# Altium PCB HealthSensors.PcbDoc (continued)
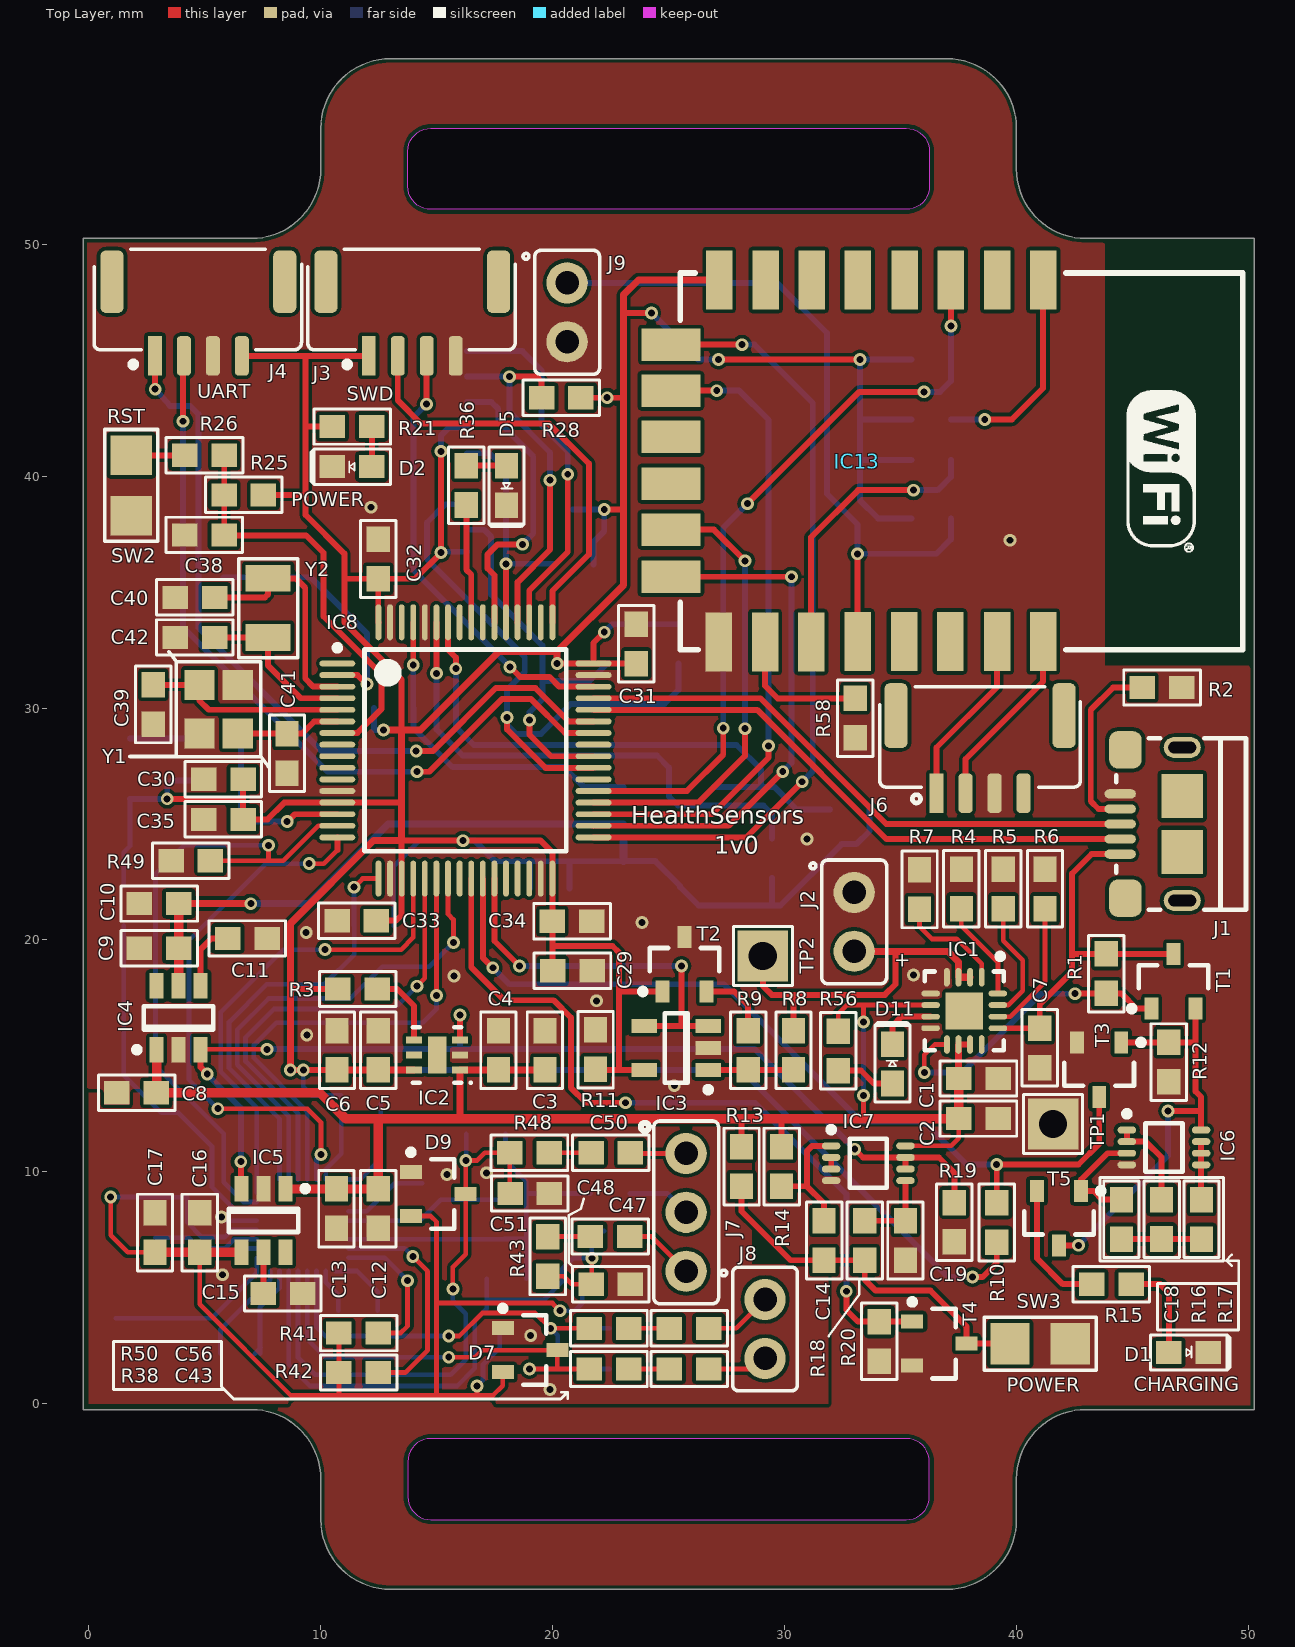
[diagram p0: Top Layer view]
## Nets (pads, with @x,y where several pads share a name; then routed paths per layer and width w, separated by ;. In a path a pad name is that pad's centre, name@x,y a point inside that pad or via, vN(x,y) a via of type N, cw(c..) or ccw(c..) an arc to the next point about the centre after c; other vN are vias at no path point)
AGND: C12.1 C13.1 C15.1 C16.1 C17.1 C20.1 C21.1 C46.1 C48.1 C51.1 C52.1 C53.1 C54.1 C55.1 C57.1 D7.1 D8.1 D9.1 D10.1 IC5.2 IC10.10 IC10.13 | length 2.7
  Bottom Layer w0.203: v1(5.715,8.052) 5.871,7.896 IC10.13 ; 6.299,6.426 6.569,6.696 IC10.10
  other v1: 19.888,0.61 19.05,2.946 5.766,5.563 15.443,9.881 17.145,9.957
AVCC: C16.2 C17.2 C20.2 C21.2 D7.2 D8.2 D9.2 D10.2 IC5.4 IC10.12 R41.2 R42.2 | length 55
  Top Layer w0.203: v1(0.94,8.915) 0.94,7.264 1.673,6.532 C17.2 ; C16.2 4.783,6.528 4.783,4.285 8.712,0.356 10.783,0.356 ; R41.2 R42.2 10.783,0.356 ; D9.2 14.742,8.092 14.99,7.844 14.99,4.343 ; v1(16.739,0.762) 16.739,0.356 ; D7.2 17.85,0.781 17.424,0.356 16.739,0.356 ; v1(20.32,4.013) 19.99,4.343 14.99,4.343 ; 10.783,0.356 14.969,0.356 ; 14.969,0.356 16.739,0.356 ; 14.969,0.356 14.99,0.377 14.99,4.343
  Top Layer w0.254: C17.2 C17.2@2.856,6.528
  Top Layer w0.406: C17.2@2.856,6.528 4.783,6.528 IC5.4
  Bottom Layer w0.203: v1(0.94,8.915) 2.537,8.915 C21.2 C20.2 4.245,7.82 4.877,7.188 5.864,7.188 6.172,7.496 IC10.12 ; v1(16.739,0.762) 16.994,1.017 16.994,1.69 17.723,2.419 D10.2@17.723,3.185 ; v1(20.32,4.013) 20.955,4.013 21.275,4.333 D8.2
BAT_CHG: IC8.26 R10.1 T3.3 | length 37.7
  Top Layer w0.254: IC8.26 16.988,19.232 v1(17.419,18.801) ; R10.1 v1(39.149,10.316) 42.676,10.316 43.569,11.209 T3.3
  Bottom Layer w0.254: v1(17.419,18.801) 18.132,18.089 27.389,18.089 33.311,12.167 36.003,12.167 37.854,10.316 v1(39.149,10.316)
BAT_LVL: IC3.3 IC3.4 IC8.27 | length 16.7
  Top Layer w0.254: IC8.27 17.488,19.955 v1(18.567,18.876) ; IC3.4@23.833,16.419 IC3.4 25.56,16.295 ; v1(25.56,18.876) 25.56,16.295 ; IC3.3 25.56,16.295
  Bottom Layer w0.254: v1(18.567,18.876) v1(25.56,18.876)
DVCC: C9.2 C10.2 C27.2 C28.2 IC4.5 IC9.11 | length 24.1
  Top Layer w0.254: 5.608,21.568 5.611,21.565
  Top Layer w0.305: C10.2@3.88,21.565 5.611,21.565 v1(6.985,21.565)
  Top Layer w0.406: IC4.5 C10.2@3.868,21.556
  Bottom Layer w0.305: v1(6.985,21.565) 9.474,21.565 12.91,25 IC9.11
GND: C1.1 C2.1 C3.1 C4.1 C5.1 C6.1 C7.1 C8.1 C9.1 C10.1 C11.1 C19.1 C22.1 C23.1 C24.1 C25.1 C27.1 C28.1 C29.1 C30.1 C31.1 C32.1 C33.1 C34.1 C35.1 C38.1 C39.1 C40.1 C41.1 C42.1 D1.2 D2.2 D5.2 IC1.4 IC1.5 IC1.8 IC2.2 IC3.2 IC4.2 IC6.4 IC7.4 IC8.12 IC8.18 IC8.31 IC8.47 IC8.60 IC8.63 IC9.4 IC9.12 IC10.24 IC13.15 J1.5 J2.1 J3.4 J4.3 J5.6 J5.S J6.3 J9.2 R2.1 R4.1 R5.1 R6.1 R7.1 R11.1 R12.1 R19.1 R20.1 R27.1 R49.1 R58.1 SW2.2 SW3.2 T2.3 T3.2 T4.2 TP1.1 Y1.2 Y1.4 | length 4.7
  Bottom Layer w0.203: IC10.24 11.7,9.671 12.588,10.559 C22.1 C23.1@12.588,12.935
  other v1: 25.248,13.716 9.398,15.9 21.895,17.374 15.748,18.44 35.56,18.491 9.373,20.32 23.851,20.752 30.963,24.359 39.726,37.236 12.167,38.659
NetC1_2: C1.2 C2.2 C3.2 C4.2 C8.2 C12.2 C13.2 IC1.6 IC1.10 IC1.11 IC2.1 IC4.1 IC5.1 IC7.8 R13.2 R14.2 R56.2 | length 68.6
  Top Layer w0.203: R56.2 32.316,16.819 32.689,17.192 IC1.6 ; 33.409,12.297 v1(33.409,13.288) ; v1(33.409,16.463) 33.409,17.174 ; IC7.8 37.181,11.121 37.511,11.451 C2.2
  Top Layer w0.254: IC5.1 IC5.1@8.493,9.261 ; 12.479,12.229 12.548,12.297 ; IC2.1 IC2.1@16.013,14.394 ; R13.2 28.147,12.276 28.169,12.297 ; 29.87,12.297 29.874,12.294 R14.2 ; C1.2@37.5,14.036 C1.2 ; IC1.10 IC1.11
  Top Layer w0.305: 16.01,12.297 IC2.1 ; IC2.1@16.013,14.394 C4.2 C4.2@17.762,14.394 ; C4.2@17.915,14.394 C3.2 ; C1.2@37.5,14.036 IC1.10
  Top Layer w0.406: C8.2 9.957,13.411 11.071,12.297 12.548,12.297 16.01,12.297 28.169,12.297 29.87,12.297 33.409,12.297 C2.2 C1.2 ; C8.2@2.918,13.647 IC4.1 ; IC5.1@8.493,9.261 C13.2 C12.2 12.479,12.229
  Bottom Layer w0.203: v1(33.409,13.288) v1(33.409,16.463)
NetC7_2: C7.2 IC1.13 J1.1 R1.2 T1.3 | length 15.6
  Top Layer w0.254: IC1.13@39.468,16.193 41.001,16.193 C7.2 41.003,17.225 42.4,18.622 42.4,19.396 ; J1.1 43.236,23.7 42.4,22.864 42.4,19.396 ; T1.3 46.764,19.396 R1.2 42.4,19.396
NetC11_2: C11.2 IC4.4 | length 2.9
  Top Layer w0.254: IC4.4 4.818,19.601 5.283,20.066 C11.2
NetC14_1: C14.1 R13.1 R18.2 SW3.1 T4.3 | length 15.9
  Top Layer w0.254: R13.1 28.147,8.302 30.259,6.19 C14.1 R18.2 33.459,5.352 33.934,4.877 36.297,4.877 37.853,3.321 T4.3 SW3.1
NetC14_2: C14.2 IC7.1 R14.1 | length 5.6
  Top Layer w0.254: R14.1 30.963,9.379 ; C14.2@31.695,7.878 C14.2 31.707,8.635 30.963,9.379 ; IC7.1 31.191,11.121 30.963,10.893 30.963,9.379
NetC15_2: C15.2 IC5.5 | length 1.8
  Top Layer w0.254: C15.2 7.526,4.766 IC5.5
NetC18_1: C18.1 R16.1 R17.1 | length 3.5
  Top Layer w0.254: C18.1 R17.1
NetC18_2: C18.2 IC6.3 T5.1 | length 4.8
  Top Layer w0.254: C18.2 43.701,8.8 43.326,9.176 T5.1 42.784,9.662 43.924,10.803 IC6.3
NetC19_2: C19.2 IC7.5 R18.1 | length 3.5
  Top Layer w0.254: R18.1 C19.2 IC7.5
NetC36_1: C36.1 IC8.14 R24.1 R27.2 | length 7.9
  Top Layer w0.254: v1(8.552,25.103) 8.872,25.422 IC8.14
  Bottom Layer w0.254: R24.1 C36.1 6.561,25.128 R27.2 v1(8.552,25.103)
NetC38_2: C38.2 IC8.7 R25.1 R26.1 | length 18.2
  Top Layer w0.254: R26.1 5.836,37.443 9.369,37.443 10.117,36.695 10.117,33.952 12.624,31.445 12.624,29.968 11.578,28.922 IC8.7
NetC39_2: C39.2 IC8.5 Y1.1 | length 8.8
  Top Layer w0.254: C39.2 2.78,31 Y1.1 4.77,30.319 5.164,29.925 IC8.5@10.713,29.925
NetC40_2: C40.2 IC8.3 Y2.2 | length 10.3
  Top Layer w0.254: C40.2 7.595,34.773 7.729,34.907 Y2.2 8.918,35.594 9.329,35.183 9.329,31.271 9.678,30.922 IC8.3
NetC41_2: C41.2 IC8.6 Y1.3 | length 4.5
  Top Layer w0.254: Y1.3 C41.2@8.542,28.9 ; C41.2 9.189,28.896 9.716,29.422 IC8.6
NetC42_2: C42.2 IC8.4 Y2.1 | length 7.1
  Top Layer w0.254: C42.2 7.728,33.045 Y2.1 7.729,31.83 9.137,30.422 IC8.4
NetC43_1: C43.1 J8.2 | length 2.6
  Top Layer w0.203: C43.1@26.758,1.499 28.702,1.499 J8.2
NetC43_2: C43.2 R38.1 | length 1.8
  Top Layer w0.203: R38.1 C43.2
NetC44_1: C44.1 IC10.1 | length 3
  Bottom Layer w0.203: IC10.1 11.576,5.721 12.458,4.84 C44.1
NetC44_2: C44.2 IC10.2 | length 1.9
  Bottom Layer w0.203: IC10.2 10.22,5.248 10.758,4.711 C44.2
NetC45_1: C45.1 IC10.7 | length 4.3
  Bottom Layer w0.203: C45.1@7.161,2.159 C45.1@7.378,2.376 ; C45.1 C45.1@7.378,2.376 ; C45.1@7.417,2.415 C45.1@7.378,2.376 ; IC10.7 8.22,4.994 7.378,4.152 C45.1@7.378,2.376
NetC45_2: C45.2 IC10.8 | length 4.4
  Bottom Layer w0.203: C45.2 5.678,3.214 7.82,5.356 IC10.8
NetC46_2: C46.2 D7.3 IC10.4 R38.2 | length 21
  Top Layer w0.203: v1(15.519,2.007) 16.662,2.007 16.967,2.311 D7.3 20.2,1.499 ; v1(18.999,1.499) 20.2,1.499 ; R38.2@21.553,1.524 21.527,1.499 20.2,1.499
  Bottom Layer w0.203: IC10.4 9.42,2.772 10.185,2.007 v1(15.519,2.007) ; v1(18.999,1.499) C46.2
NetC47_1: C47.1 J7.3 | length 3
  Top Layer w0.203: C47.1 24.257,7.214 J7.3
NetC47_2: C47.2 R43.1 | length 1.8
  Top Layer w0.203: R43.1 19.8,7.214 C47.2
NetC48_2: C48.2 D8.3 IC10.6 R43.2 R44.1 | length 27.2
  Top Layer w0.203: R43.2 20.484,5.5 20.828,5.156 C48.2 21.641,5.17 21.692,5.22 v1(21.692,6.274)
  Bottom Layer w0.203: IC10.6 8.62,1.692 9.55,0.762 15.875,0.762 16.637,1.524 16.637,3.581 17.159,4.103 17.159,4.47 ; R44.1 17.159,4.47 ; D8.3 21.825,7.449 21.692,7.315 v1(21.692,6.274) 20.879,6.274 20.422,5.817 20.422,5.283 19.609,4.47 17.159,4.47
NetC49_1: C49.1 IC10.28 R46.1 | length 7.1
  Bottom Layer w0.203: IC10.28 14.272,7.896 15.175,8.8 R46.1 C49.1
NetC49_2: C49.2 IC10.30 R44.2 R45.2 R46.2 R47.2 | length 17.1
  Bottom Layer w0.203: IC10.30 C49.2@17.907,7.096 ; C49.2 18.847,7.1 18.859,7.112 ; R47.2 17.97,10.478 18.859,9.589 18.859,9.068 ; R44.2 18.859,7.112 ; R45.2 18.859,9.068 ; 18.859,7.112 18.859,9.068
NetC50_1: C50.1 J7.1 | length 2.4
  Top Layer w0.203: C50.1 23.38,10.795 J7.1
NetC50_2: C50.2 R48.1 | length 1.8
  Top Layer w0.203: R48.1 C50.2
NetC51_2: C51.2 D9.3 IC10.5 R47.1 R48.2 | length 25.5
  Top Layer w0.203: v1(15.697,4.953) 15.697,5.893 16.256,6.452 v1(16.256,10.49) 16.739,10.49 17.069,10.82 R48.2 18.149,9.082 C51.2
  Bottom Layer w0.203: IC10.5 9.02,1.978 9.754,1.245 15.596,1.245 16.256,1.905 16.256,3.886 15.697,4.445 v1(15.697,4.953) ; v1(16.256,10.49) 16.27,10.504 R47.1
NetC52_2: C52.2 IC10.11 | length 4.7
  Bottom Layer w0.203: C52.2 4.318,7.163 4.775,6.706 5.885,6.706 6.275,7.096 IC10.11
NetC53_2: C53.2 IC10.27 | length 3.7
  Bottom Layer w0.203: IC10.27 11.979,8.296 13.196,9.513 C53.2
NetC54_2: C54.2 C55.2 IC10.9 | length 7.5
  Bottom Layer w0.203: C55.2 C54.2 5.29,3.69 7.245,5.645 IC10.9
NetC56_1: C56.1 J8.1 | length 2.9
  Top Layer w0.203: C56.1 27.915,3.251 J8.1
NetC56_2: C56.2 R50.1 | length 1.8
  Top Layer w0.203: R50.1 C56.2
NetC57_2: C57.2 D10.3 IC10.3 R50.2 | length 18.8
  Top Layer w0.203: v1(15.519,2.921) 15.977,2.921 16.967,3.912 19.253,3.912 v1(19.914,3.251) R50.2
  Bottom Layer w0.203: IC10.3 9.82,3.292 10.192,2.921 v1(15.519,2.921) ; D10.3@20.073,2.235 20.218,2.381 20.218,2.946 v1(19.914,3.251) C57.2
NetD1_1: D1.1 R15.1 | length 4.4
  Top Layer w0.254: R15.1 46.203,5.156 46.572,4.787 D1.1
NetD2_1: D2.1 R21.1 | length 1.7
  Top Layer w0.254: D2.1 R21.1
NetD5_1: D5.1 R36.1 | length 1.7
  Top Layer w0.254: R36.1 18.001,40.456 D5.1
NetD11_1: D11.1 R56.1 | length 2.7
  Top Layer w0.254: R56.1 33.293,14.369 33.852,13.81 D11.1 D11.1@34.755,13.81
NetD11_2: D11.2 IC1.7 | length 2.6
  Top Layer w0.254: D11.2 34.653,16.311 35.034,16.692 IC1.7
NetIC1_1: IC1.1 R7.2 | length 4.7
  Top Layer w0.203: R7.2 35.822,20.578 36.355,20.044 37.422,20.044 38.5,18.966 IC1.1
NetIC1_2: IC1.2 IC1.3 J2.2 R8.2 TP2.1 | length 16.1
  Top Layer w0.254: TP2.1 29.065,18.012 29.446,17.631 34.323,17.631 34.78,18.089 34.78,19.511 ; R8.2 30.386,17.606
  Top Layer w0.305: J2.2 34.78,19.511 37.041,19.511 37.5,19.052 IC1.3 IC1.2
NetIC1_9: IC1.9 R1.1 T1.1 | length 13.4
  Top Layer w0.203: v1(36.025,14.279) 36.025,15.041 36.476,15.492 IC1.9
  Top Layer w0.254: v1(42.527,17.682) 42.541,17.696 R1.1 44.52,17.696 45.175,17.041 T1.1
  Bottom Layer w0.254: v1(36.025,14.279) 37.65,14.279 41.054,17.682 v1(42.527,17.682)
NetIC1_14: IC1.14 R6.2 | length 5.8
  Top Layer w0.203: IC1.14 39.729,16.692 41.232,18.194 R6.2
NetIC1_15: IC1.15 R5.2 | length 5.2
  Top Layer w0.203: IC1.15 39.649,17.192 40.267,17.809 40.267,19.13 39.428,19.968 R5.2
NetIC1_16: IC1.16 R4.2 | length 4.3
  Top Layer w0.203: R4.2 37.625,20.603 39.2,19.028 IC1.16
NetIC2_3: IC2.3 IC4.3 IC5.3 IC7.6 IC7.7 R19.2 | length 45.9
  Top Layer w0.203: IC4.3@4.818,15.282 v1(7.678,15.282) ; IC5.3@6.553,9.301 IC5.3
  Top Layer w0.254: IC4.3 4.818,14.511 v1(5.105,14.224) ; IC5.3@6.553,9.301 v1(6.553,10.439) ; IC5.3 6.586,9.288 6.579,9.296 IC5.3@6.629,9.347 ; IC2.3 v1(16.01,16.768) ; v1(33.028,10.977) 33.383,10.621 IC7.7 ; IC7.6 IC7.7 ; 35.942,10.615 35.936,10.621 ; R19.2 37.32,9.961 36.66,10.621 35.936,10.621 ; IC7.7 35.936,10.621
  Bottom Layer w0.254: v1@5.093,14.211 6.553,12.751 v1(6.553,10.439) ; v1(7.678,15.282) 7.691,15.295 16.01,15.295 ; v1(16.01,16.768) 16.01,15.295 ; v1(33.028,10.977) 28.71,15.295 16.01,15.295
NetIC2_4: IC2.4 R3.1 | length 3.3
  Top Layer w0.254: R3.1 13.292,17.885 14.02,17.158 IC2.4
NetIC3_1: IC3.1 R8.1 R9.2 | length 3.7
  Top Layer w0.254: IC3.1 26.708,14.394 R8.1
NetIC6_1: IC6.1 IC6.2 R16.2 | length 4.1
  Top Layer w0.254: IC6.1 IC6.2 45.579,11.303 46.261,10.621 R16.2
NetIC6_5: IC6.5 IC6.6 IC6.7 R17.2 | length 2.5
  Top Layer w0.254: IC6.7 IC6.6 IC6.5 47.963,8.818 R17.2
NetIC6_8: IC6.8 R12.2 T1.2 T3.1 T5.3 | length 18.2
  Top Layer w0.254: T5.3 42.665,6.826 v1(42.672,6.833) ; T3.1 46.56,15.581 R12.2 47.706,15.586 ; v1(46.533,12.624) 47.937,12.624 47.963,12.649 ; T1.2 47.719,13.47 47.963,13.226 47.963,12.649 ; IC6.8 47.963,12.649
  Bottom Layer w0.254: v1(42.672,6.833) 46.533,10.693 v1(46.533,12.624)
NetIC7_2: IC7.2 IC7.3 | length 0.5
  Top Layer w0.254: IC7.3 IC7.2
NetIC8_2: IC8.2 J5.10 | length 10.8
  Top Layer w0.254: IC8.2 11.58,31.422 11.963,31.039 v1(11.989,31.039)
  Bottom Layer w0.254: J5.10 9.573,35.639 11.989,33.223 v1(11.989,31.039)
NetIC8_15: IC8.15 IC10.15 R49.2 | length 28.4
  Top Layer w0.203: R49.2 7.747,23.419 ; v1(7.747,24.079) 7.747,23.419 ; IC8.15 9.889,24.922 8.386,23.419 7.747,23.419
  Bottom Layer w0.203: IC10.15 6.671,8.696 5.817,9.55 5.817,11.633 2.87,14.58 2.87,22.835 4.115,24.079 v1(7.747,24.079)
NetIC8_16: IC8.16 IC10.22 | length 23.6
  Top Layer w0.203: v1(5.563,12.725) 9.423,12.725 10.008,12.141 v1(10.008,10.744) ; v1(9.5,23.292) 10.135,23.292 10.713,23.87
  Top Layer w0.254: 10.713,23.87 IC8.16
  Bottom Layer w0.203: v1(5.563,12.725) 4.318,13.97 4.318,19.99 7.62,23.292 v1(9.5,23.292) ; IC10.22 9.82,10.557 v1(10.008,10.744)
NetIC8_17: IC8.17 IC10.18 R39.1 | length 18.4
  Top Layer w0.203: v1(11.43,22.276) 11.802,22.647 IC8.17
  Bottom Layer w0.203: IC10.18 8.22,12.293 6.045,14.468 6.045,16.459 7.671,18.085 10.16,18.085 11.444,19.369 R39.1 11.43,20.613 v1(11.43,22.276)
NetIC8_20: IC8.20 IC10.16 | length 20.6
  Top Layer w0.203: v1(10.185,19.583) 13.462,19.583 13.988,20.11 IC8.20
  Bottom Layer w0.203: IC10.16 7.245,12.765 5.69,14.321 5.69,16.891 8.382,19.583 v1(10.185,19.583)
NetIC8_21: IC8.21 IC10.20 | length 20.2
  Top Layer w0.203: v1(14.148,18.009) 14.488,18.349 IC8.21
  Bottom Layer w0.203: IC10.20 9.02,12.499 6.756,14.763 6.756,15.799 7.976,17.018 13.157,17.018 v1(14.148,18.009)
NetIC8_22: IC8.22 IC10.21 | length 20.9
  Top Layer w0.203: v1(14.988,17.604) IC8.22
  Bottom Layer w0.203: IC10.21 9.42,12.602 7.112,14.91 7.112,15.469 8.077,16.434 14.402,16.434 14.988,17.02 v1(14.988,17.604)
NetIC8_23: IC8.23 IC10.19 | length 21.1
  Top Layer w0.203: IC8.23 15.488,21.113 15.723,20.879 v1(15.723,19.888)
  Bottom Layer w0.203: IC10.19 8.62,12.396 6.401,14.615 6.401,16.129 7.747,17.475 11.278,17.475 12.649,18.847 14.681,18.847 v1(15.723,19.888)
NetIC8_33: IC8.33 IC13.9 | length 33.7
  Top Layer w0.254: IC8.33 28.359,24.422 v1(30.759,26.822) ; IC13.9@25.121,45.644 IC13.9 v1(28.169,45.669)
  Bottom Layer w0.254: v1(28.169,45.669) 28.702,45.669 31.217,43.155 31.217,27.28 v1(30.759,26.822)
NetIC8_34: IC8.34 IC13.14 | length 22.9
  Top Layer w0.254: IC8.34@21.764,24.921 IC8.34 27.589,24.922 v1(29.921,27.254) ; IC13.14 v1(30.302,35.662)
  Bottom Layer w0.254: v1(29.921,27.254) 30.302,27.635 v1(30.302,35.662)
NetIC8_35: IC8.35 IC13.10 | length 27.9
  Top Layer w0.254: IC8.35 26.87,25.422 29.312,27.864 v1(29.312,28.372) ; IC13.10 v1(27.076,43.688)
  Bottom Layer w0.254: v1(27.076,43.688) 28.042,43.688 29.312,42.418 v1(29.312,28.372)
NetIC8_36: IC8.36 IC13.13 | length 19.5
  Top Layer w0.254: IC8.36 26.278,25.922 28.296,27.94 v1(28.296,29.108) ; IC13.13 26.949,37.694 v1(28.296,36.347)
  Bottom Layer w0.254: v1(28.296,29.108) v1(28.296,36.347)
NetIC8_37: IC8.37 IC13.3 R22.1 | length 32.8
  Top Layer w0.254: IC8.37 25.787,26.422 27.356,27.991 v1(27.356,29.134) ; v1(28.397,38.811) 33.223,43.637 v1(36.017,43.637) ; IC13.3 37.172,48.452 v1(37.172,46.47)
  Bottom Layer w0.254: v1(27.356,29.134) 27.356,37.77 v1(28.397,38.811) ; v1(36.017,43.637) 36.703,43.637 37.172,44.106 R22.1 v1(37.172,46.47)
NetIC8_39: IC8.39 J5.7 R31.2 | length 27.2
  Top Layer w0.254: v1(18.034,29.591) 18.034,29.083 19.695,27.422 IC8.39
  Bottom Layer w0.254: J5.7 15.371,38.789 14.584,38.003 14.584,36.419 18.796,32.207 18.796,31.555 18.034,30.793 v1(18.034,29.591) 18.034,29.286 18.436,28.884 19.49,28.884 20.781,30.175 24.816,30.175 25.425,30.785 R31.2
NetIC8_40: IC8.40 J5.8 R30.2 | length 18.3
  Top Layer w0.254: v1(18.999,29.489) 18.999,28.854 19.931,27.922 IC8.40
  Bottom Layer w0.254: J5.8 17.048,37.689 17.348,37.389 17.348,34.9 19.558,32.69 19.558,31.166 ; v1(18.999,29.489) 18.999,29.82 19.558,30.378 19.558,31.166 ; R30.2 22.34,31.916 21.59,31.166 19.558,31.166
NetIC8_42: IC8.42 J4.2 | length 33.9
  Top Layer w0.254: J4.2@4.057,45.187 4.064,45.18 v1(4.064,42.367) ; v1(14.148,27.254) 14.681,27.254 17.809,30.382 19.072,30.382 20.531,28.922 IC8.42
  Bottom Layer w0.254: v1(4.064,42.367) 4.064,33.477 10.287,27.254 v1(14.148,27.254)
NetIC8_43: IC8.43 J4.1 | length 34
  Top Layer w0.254: v1(2.858,43.751) J4.1@2.858,45.212 ; v1(14.115,28.143) 14.834,28.143 17.551,30.861 19.253,30.861 20.692,29.422 IC8.43
  Bottom Layer w0.254: v1(2.858,43.751) 3.505,43.028 4.369,43.028 4.724,42.672 4.724,33.463 10.045,28.143 v1(14.115,28.143)
NetIC8_46: IC8.46 J3.3 | length 19.3
  Top Layer w0.254: v1(14.554,43.104) 14.554,45.171 J3.3 ; v1(18.161,31.775) 18.593,31.344 19.863,31.344 20.284,30.922 IC8.46
  Bottom Layer w0.254: v1(14.554,43.104) 13.995,42.545 13.995,35.941 v1(18.161,31.775)
NetIC8_49: IC8.49 J3.2 | length 18.8
  Top Layer w0.254: J3.2 13.32,43.272 14.326,42.266 19.837,42.266 21.565,40.538 21.565,36.627 19.988,35.05 IC8.49
NetIC8_51: IC8.51 J5.1 R29.2 | length 15.6
  Top Layer w0.254: IC8.51 18.988,35.066 20.65,36.728 v1(20.65,40.081)
  Bottom Layer w0.254: J5.1 18.695,45.389 19.521,44.564 R29.2 19.521,42.201 20.65,41.072 v1(20.65,40.081)
NetIC8_52: IC8.52 J5.2 R28.2 | length 15.9
  Top Layer w0.254: v1(18.136,44.289) 19.312,44.289 19.521,44.081 R28.2 ; IC8.52 18.488,35.43 19.888,36.83 v1(19.888,39.827)
  Bottom Layer w0.254: J5.2 v1(18.136,44.289) 18.136,42.774 19.888,41.021 v1(19.888,39.827)
NetIC8_53: IC8.53 J5.5 R32.2 | length 10.6
  Top Layer w0.254: v1(17.983,36.22) 17.983,33.702 IC8.53
  Bottom Layer w0.254: J5.5 17.278,40.989 17.983,40.284 v1(17.983,36.22) 20.029,36.22 R32.2
NetIC8_54: IC8.54 J5.3 R33.2 | length 12.9
  Top Layer w0.254: IC8.54 17.488,35.725 17.196,36.017 17.196,36.627 17.628,37.059 v1(18.694,37.059)
  Bottom Layer w0.254: J5.3 17.364,43.189 17.653,42.901 17.653,42.367 19.165,40.855 R33.2 19.165,37.529 v1(18.694,37.059)
NetIC8_56: IC8.56 R36.2 | length 5.1
  Top Layer w0.254: R36.2 16.278,35.97 16.488,35.76 IC8.56
NetIC8_58: IC8.58 IC9.2 R53.1 | length 24.7
  Top Layer w0.254: IC8.58 15.488,32.518 15.824,32.182 v1(15.824,31.699)
  Bottom Layer w0.254: v1(15.824,31.699) 15.824,29.185 16.599,28.41 27.927,28.41 28.981,27.356 28.981,26.6 ; IC9.2 28.981,26.6 ; R53.1 30.531,25.629 29.559,26.6 28.981,26.6
NetIC8_59: IC8.59 IC9.3 R52.1 | length 22.4
  Top Layer w0.254: v1(14.988,31.498) IC8.59
  Bottom Layer w0.254: v1(14.988,31.498) 14.988,29.081 16.116,27.953 24.498,27.953 25.019,27.432 25.019,26.187 25.406,25.8 IC9.3 29.089,25.8 29.464,25.425 R52.1
NetIC8_61: IC8.61 IC9.13 R51.1 | length 14.7
  Top Layer w0.254: v1(13.988,31.852) IC8.61
  Bottom Layer w0.254: v1(13.988,31.852) 13.988,30.005 R51.1 13.995,29.134 15.677,27.452 20.49,27.452 21.342,26.6 IC9.13
NetIC10_14: IC10.14 R40.1 | length 15.7
  Bottom Layer w0.203: R40.1 1.499,14.173 3.124,12.548 3.861,12.548 5.309,11.1 5.309,9.347 6.36,8.296 IC10.14
NetIC10_31: IC10.31 R42.1 | length 9.7
  Top Layer w0.203: R42.1 13.64,1.346 14.605,2.311 14.605,5.715 v1(13.97,6.35)
  Bottom Layer w0.203: IC10.31 13.624,6.696 v1(13.97,6.35)
NetIC10_32: IC10.32 R41.1 | length 6.3
  Top Layer w0.203: R41.1 13.437,3.048 13.741,3.353 v1(13.741,5.309)
  Bottom Layer w0.203: IC10.32 12.754,6.296 v1(13.741,5.309)
NetIC13_1: IC13.1 R37.1 | length 9.2
  Top Layer w0.254: v1(38.633,42.443) 39.802,42.443 41.148,43.79 IC13.1
  Bottom Layer w0.254: R37.1 v1(38.633,42.443)
NetIC13_16: IC13.16 R58.2 | length 6
  Top Layer w0.254: IC13.16 29.159,30.963 29.706,30.416 R58.2
NetIC13_17: IC13.17 R34.1 | length 12.4
  Top Layer w0.254: IC13.17 31.14,37.363 33.172,39.395 v1(35.56,39.395)
  Bottom Layer w0.254: v1(35.56,39.395) 36.601,39.395 37.172,39.966 R34.1
NetIC13_18: IC13.18 J9.1 R57.1 | length 31.1
  Top Layer w0.254: IC13.18 v1(33.147,36.652)
  Bottom Layer w0.254: J9.1 29.667,48.336 31.826,46.177 31.826,39.243 33.147,37.922 v1(33.147,36.652) 36.551,36.652 37.172,37.273 R57.1
NetIC13_21: IC13.21 J6.1 | length 7.6
  Top Layer w0.254: J6.1 36.555,28.3 39.167,30.912 IC13.21
NetIC13_22: IC13.22 J6.2 | length 7.9
  Top Layer w0.254: J6.2 37.805,27.798 41.148,31.14 IC13.22
NetJ1_4: J1.4 R2.2 | length 8
  Top Layer w0.254: J1.4 43.54,25.65 43.205,25.984 43.205,29.921 44.171,30.886 R2.2
NetJ7_2: J7.2 R45.1 | length 2.8
  Bottom Layer w0.203: R45.1 24.943,9.068 J7.2
NetR9_1: R9.1 T2.2 | length 3.1
  Top Layer w0.254: T2.2 27.827,17.777 28.43,17.174 R9.1
NetR15_2: R15.2 T5.2 | length 5.7
  Top Layer w0.254: T5.2 40.882,9.174 40.882,6.274 42,5.156 R15.2
NetR24_2: R24.2 SW1.2 | length 3.1
  Bottom Layer w0.254: SW1.2 4.858,28.681 R24.2
NetR26_2: R26.2 SW2.1 | length 2.3
  Top Layer w0.254: SW2.1 R26.2 R26.2@4.131,40.902
PWR_SD: IC8.25 R20.2 T4.1 | length 33.9
  Top Layer w0.254: IC8.25 16.488,18.818 17.907,17.399 20.041,17.399 20.785,16.655 20.785,13.632 21.438,12.979 v1(23.139,12.979) ; v1(32.664,4.851) 32.664,4.039 33.16,3.543 R20.2 T4.1 T4.1
  Bottom Layer w0.254: v1(23.139,12.979) 28.727,12.979 32.664,9.042 v1(32.664,4.851)
USB_DM: IC8.44 J1.2 | length 25
  Top Layer w0.254: IC8.44 28.816,29.922 34.389,24.35 J1.2
USB_DP: IC8.45 J1.3 | length 25
  Top Layer w0.254: IC8.45 28.963,30.422 34.385,25 J1.3
VCC: C5.2 C6.2 C22.2 C23.2 C24.2 C25.2 C29.2 C30.2 C31.2 C32.2 C33.2 C34.2 C35.2 C36.2 IC2.6 IC3.5 IC8.13 IC8.19 IC8.32 IC8.48 IC8.64 IC9.9 IC9.10 IC10.23 IC13.8 J3.1 J4.4 J5.4 J5.9 R3.2 R10.2 R11.2 R21.2 R22.2 R25.2 R28.1 R29.1 R30.1 R31.1 R32.1 R33.1 R34.2 R37.2 R39.2 R40.2 R51.2 R52.2 R53.2 R57.2 SW1.1 T2.1 | length 260.9
  Top Layer w0.254: v1(3.378,26.086) 6.649,26.086 ; J4.4@6.557,45.187 9.347,45.187 ; C30.2 6.649,26.086 ; R25.2 9.347,39.192 ; 8.661,17.885 8.687,17.885 R3.2 ; v1(8.687,14.394) v1(9.246,14.394) C6.2 ; C6.2@10.439,14.656 C6.2 ; R21.2 9.347,42.139 ; C6.2@10.704,14.391 C6.2 ; J3.1 9.347,45.187 ; C33.2 13.241,20.832 13.488,21.079 IC8.19 13.488,24.282 v1(16.129,24.282) 19.482,24.282 19.985,23.779 C34.2 19.985,19.736 ; IC8.64 12.479,33.707 C32.2 ; 13.488,25.922 IC8.13 8.426,25.922 7.704,25.201 C35.2 6.649,26.086 ; 13.488,26.822 13.514,26.848 ; 13.488,29.058 13.488,31.227 11.015,33.7 11.015,35.577 ; v1(15.189,41.072) v1(15.189,36.703) 14.063,35.577 C32.2 ; C29.2@19.985,18.669 19.985,19.736 ; v1(20.193,31.922) IC8.48 ; R28.1 v1(22.352,43.383) 23.038,43.383 23.063,43.358 ; R11.2@21.674,14.394 R11.2@21.852,14.394 ; R11.2 21.875,14.395 22.868,14.395 ; v1(22.225,33.274) 21.763,32.812 IC8.48 ; v1(22.225,38.557) 23.063,38.557 ; 23.063,47.041 v1(24.257,47.041) ; C31.2 23.601,31.922 IC8.48 ; IC3.5 22.868,14.395 ; T2.1 22.868,17.777 ; v1(27.153,45.034) v1(33.249,45.034) ; v1(38.1,5.461) 38.539,5.461 39.149,6.071 R10.2 ; 9.347,39.192 9.347,42.139 ; 9.347,39.192 9.347,38.329 11.015,36.66 11.015,35.577 ; 9.347,42.139 9.347,45.187 ; 11.015,35.577 C32.2 ; 19.985,19.736 22.581,19.736 22.868,19.449 22.868,17.777 ; 22.868,14.395 22.868,17.777
  Top Layer w0.305: v1(8.687,14.394) 8.687,17.885 8.687,20.701 12.268,24.282 13.488,24.282 13.488,25.922 13.488,26.822 13.485,26.826 13.485,29.058 ; C6.2@10.704,14.391 IC2.6 ; v1(12.7,29.058) 13.485,29.058 ; v1(20.193,31.922) 20.193,32.436 ; IC13.8 23.698,48.463 23.063,47.828 23.063,47.041 23.063,43.358 23.063,38.557 23.063,35.306 20.193,32.436 ; 13.485,29.058 13.488,29.058 14.3,29.058 17.678,32.436 20.193,32.436
  Bottom Layer w0.203: R40.2 1.499,23.774 1.778,24.054 SW1.1 ; v1(9.246,14.394) 9.246,13.665 9.62,13.29 C23.2 C22.2 10.888,10.789 10.22,10.122 IC10.23 ; R39.2 13.144,23.177 14.249,24.282 v1(16.129,24.282)
  Bottom Layer w0.254: SW1.1 3.374,26.081 v1(3.378,26.086) 3.378,26.67 3.589,26.881 C36.2 ; v1(8.687,14.394) v1(9.246,14.394) 28.126,14.394 37.059,5.461 v1(38.1,5.461) ; R51.2 12.295,29.107 12.344,29.058 v1(12.7,29.058) ; v1(15.189,36.703) 15.226,36.739 J5.9 ; v1(15.189,41.072) 15.189,41.758 15.521,42.089 J5.4 ; v1(16.129,24.282) 16.637,24.282 17.526,23.393 19.075,23.393 ; C24.2 19.025,23.343 19.075,23.393 ; C25.2 20.726,23.343 20.777,23.393 ; R33.1 v1(22.225,38.557) 22.225,37.617 21.754,37.146 R32.1 ; R29.1 v1(22.352,43.383) ; v1(22.225,33.274) 22.567,33.616 R30.1 R31.1 ; v1(24.257,47.041) 26.264,45.034 v1(27.153,45.034) ; R52.2 29.464,21.514 29.489,21.488 ; R53.2 33.667,24.701 33.096,24.13 32.461,24.13 29.82,21.488 29.489,21.488 ; R57.2 34.036,38.176 33.249,38.964 33.249,40.716 ; R34.2 33.274,40.691 33.249,40.716 ; R37.2 33.274,42.443 33.249,42.418 ; R22.2 v1(33.249,45.034) 33.249,42.418 ; 19.075,23.393 20.777,23.393 ; 20.777,23.393 23.05,23.393 IC9.9 24.428,23.4 25.495,22.333 25.495,22.288 26.295,21.488 29.489,21.488 ; 33.249,40.716 33.249,42.418
  Bottom Layer w0.356: IC9.9 IC9.10
pads on no net: IC1.12 IC1.17 IC2.5 IC2.7 IC4.6 IC5.6 IC8.1 IC8.8 IC8.9 IC8.10 IC8.11 IC8.24 IC8.28 IC8.29 IC8.30 IC8.38 IC8.41 IC8.50 IC8.55 IC8.57 IC8.62 IC9.1 IC9.5 IC9.6 IC9.7 IC9.8 IC9.14 IC10.17 IC10.25 IC10.26 IC10.29 IC10.33 IC13.2 IC13.4 IC13.5 IC13.6 IC13.7 IC13.11 IC13.12 IC13.19 IC13.20 J1.S J3.M1 J3.M2 J4.M1 J4.M2 J6.4 J6.5 J6.6

## Polygon pours and split planes (outlines as drawn)
GND on Top Layer "GND TOP" (solid, pour order 7): -0.25,-0.25 7,-0.25 cw(c7,-3.25) 10,-3.25 10,-5 ccw(c13,-5) 13,-8 37,-8 ccw(c37,-5) 40,-5 40,-3.25 cw(c43,-3.25) 43,-0.25 50.25,-0.25 50.25,50.25 43,50.25 cw(c43,53.25) 40,53.25 40,55 ccw(c37,55) 37,58 13,58 ccw(c13,55) 10,55 10,53.25 cw(c7,53.25) 7,50.25 -0.25,50.25
AGND on Top Layer "AGND TOP" (solid, pour order 0): 0,0 31.877,0 31.877,6.02 28.575,6.02 28.575,12.297 11.071,12.297 9.957,13.411 0,13.411
GND on Bottom Layer "GND BOTTOM" (solid, pour order 8): -0.25,-0.25 7,-0.25 cw(c7,-3.25) 10,-3.25 10,-5 ccw(c13,-5) 13,-8 37,-8 ccw(c37,-5) 40,-5 40,-3.25 cw(c43,-3.25) 43,-0.25 50.25,-0.25 50.25,50.25 43,50.25 cw(c43,53.25) 40,53.25 40,55 ccw(c37,55) 37,58 13,58 ccw(c13,55) 10,55 10,53.25 cw(c7,53.25) 7,50.25 -0.25,50.25
AGND on Bottom Layer "AGND BOTTOM" (solid, pour order 2): 0,0 31.877,0 31.877,6.02 28.575,6.02 28.575,12.297 11.071,12.297 9.957,13.411 0,13.411

## Other copper
Top Layer:
  pour cut-out: 50.013,31.826 43.815,31.826 43.815,50.013 50.013,50.013
Bottom Layer:
  pour cut-out: 50.013,31.826 43.815,31.826 43.815,50.013 50.013,50.013

## Silkscreen, mask and mechanical layers (free items; w line width, h text height)
Top Overlay:
  lines w0.102: 20.853,5.918 20.701,6.071 20.701,7.798 20.701,8.128 21.206,8.401 21.336,8.839 ; 31.903,2.909 33.223,4.724 33.223,5.334 ; 49.28,6.423 49.047,6.172 ; 49.298,5.94 49.047,6.172 ; 49.581,5.182 49.581,6.172 49.047,6.172
  lines w0.127: 5.994,0.457 5.715,0.737 5.715,2.692 1.067,2.692 1.067,0.61 5.842,0.61 6.248,0.203 20.345,0.203 20.637,0.495 ; 20.371,0.495 20.637,0.495 ; 20.65,0.229 20.65,0.483 20.637,0.495 ; 43.594,6.147 48.92,6.147 48.92,9.757 43.594,9.757 43.594,6.147 ; 46.076,3.175 46.076,5.182 49.581,5.182 49.581,3.175 46.076,3.175
  lines w0.178: 1.786,27.918 3.734,27.915
  text "UART" at 4.674,43.358 h0.61
  text "SWD" at 11.125,43.256 h0.61
  text "RST" at 0.787,42.291 h0.61
  text "POWER" at 8.738,38.71 h0.61
  text "HealthSensors" at 23.393,25.019 h0.76
  text "1v0" at 26.975,23.724 h0.76
  text "+" at 34.729,18.851 h0.61
  text "CHARGING" at 45.06,0.533 h0.61
  text "POWER" at 39.573,0.508 h0.61
Bottom Overlay:
  text "BOOT" at 2.896,24.079 h0.61
Mechanical 1:
  lines w0.254: 40,-3.25 cw(c43,-3.25) 43,-0.25 50.25,-0.25 50.25,50.25 43,50.25 cw(c43,53.25) 40,53.25 40,55 ccw(c37,55) 37,58 13,58 ccw(c13,55) 10,55 10,53.25 cw(c7,53.25) 7,50.25 -0.25,50.25 -0.25,-0.25 7,-0.25 cw(c7,-3.25) 10,-3.25 10,-5 ccw(c13,-5) 13,-8 37,-8 ccw(c37,-5) 40,-5 40,-3.25 ; 40,-3.25 40,-3.25 ; 13.75,-4 ccw(c14.75,-4) 14.75,-5 35.25,-5 ccw(c35.25,-4) 36.25,-4 36.25,-2.5 ccw(c35.25,-2.5) 35.25,-1.5 14.75,-1.5 ccw(c14.75,-2.5) 13.75,-2.5 13.75,-4 ; 13.75,52.5 ccw(c14.75,52.5) 14.75,51.5 35.25,51.5 ccw(c35.25,52.5) 36.25,52.5 36.25,54 ccw(c35.25,54) 35.25,55 14.75,55 ccw(c14.75,54) 13.75,54 13.75,52.5

## Text inside footprints (layer, text, board x,y; h text height)
IC13: Mechanical 13 "ANTENNA AREA" at 49.139,48.462 h0.25 r270; Mechanical 13 "CUTOUT POLYGON" at 48.631,48.462 h0.25 r270